# KiCad board Beacon_Multiboard.kicad_pcb
title: Beacon; date: 2023-09-02; rev: 1; company: Beep Boop
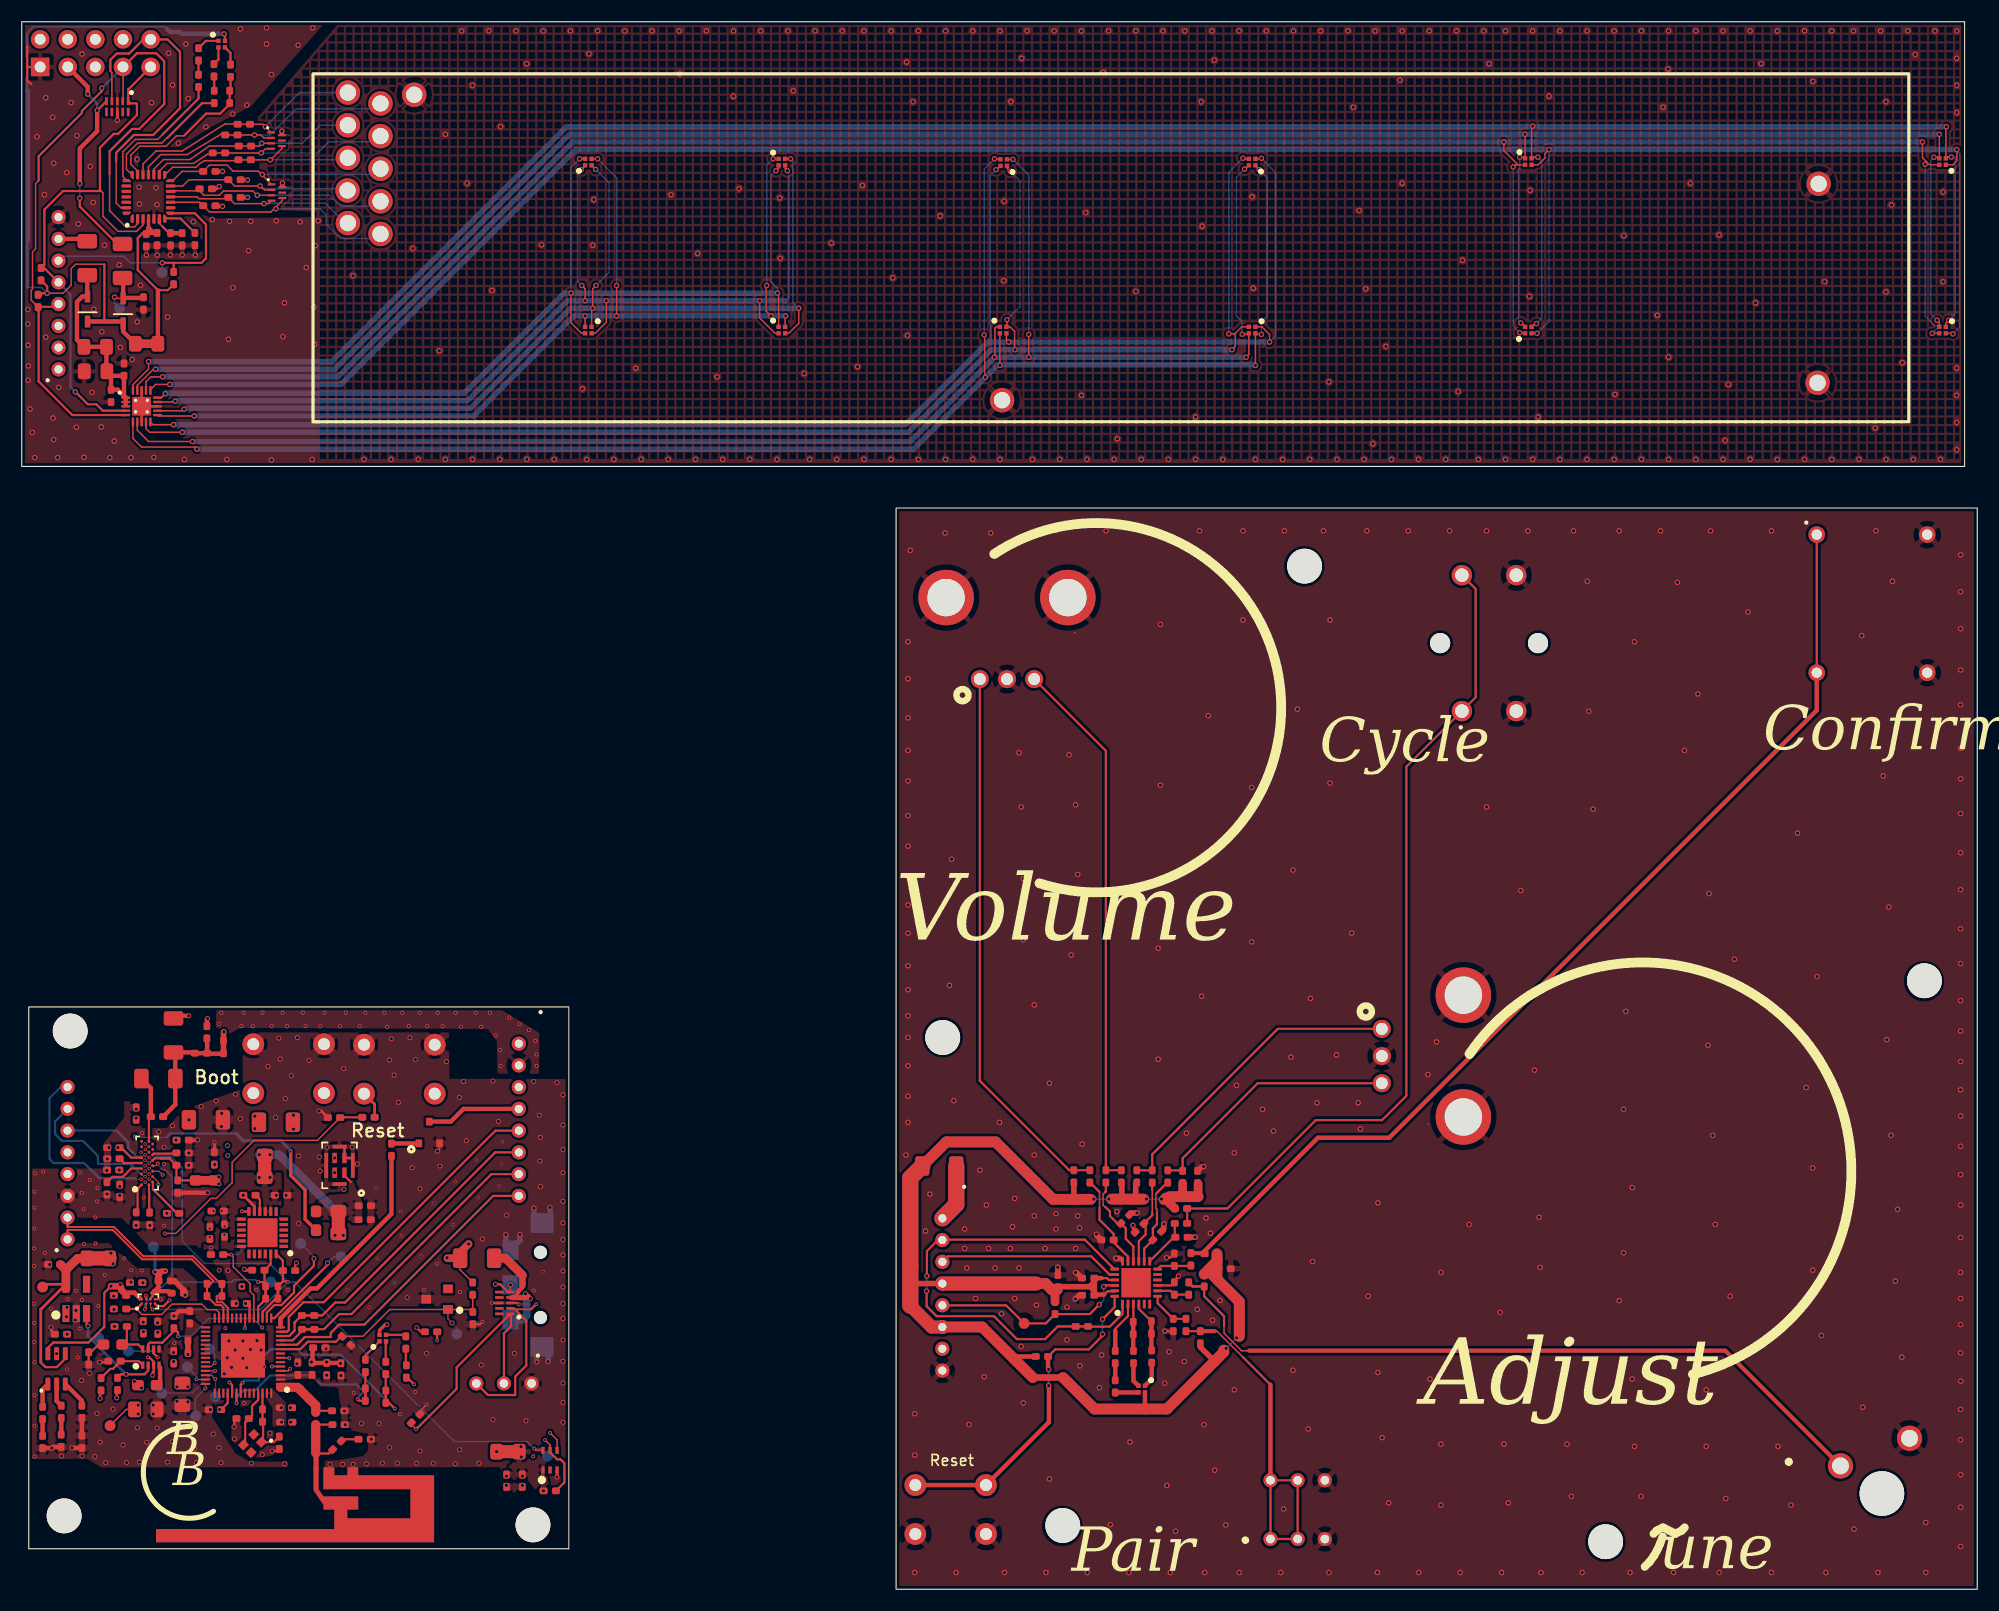
[diagram p0: board, top side]
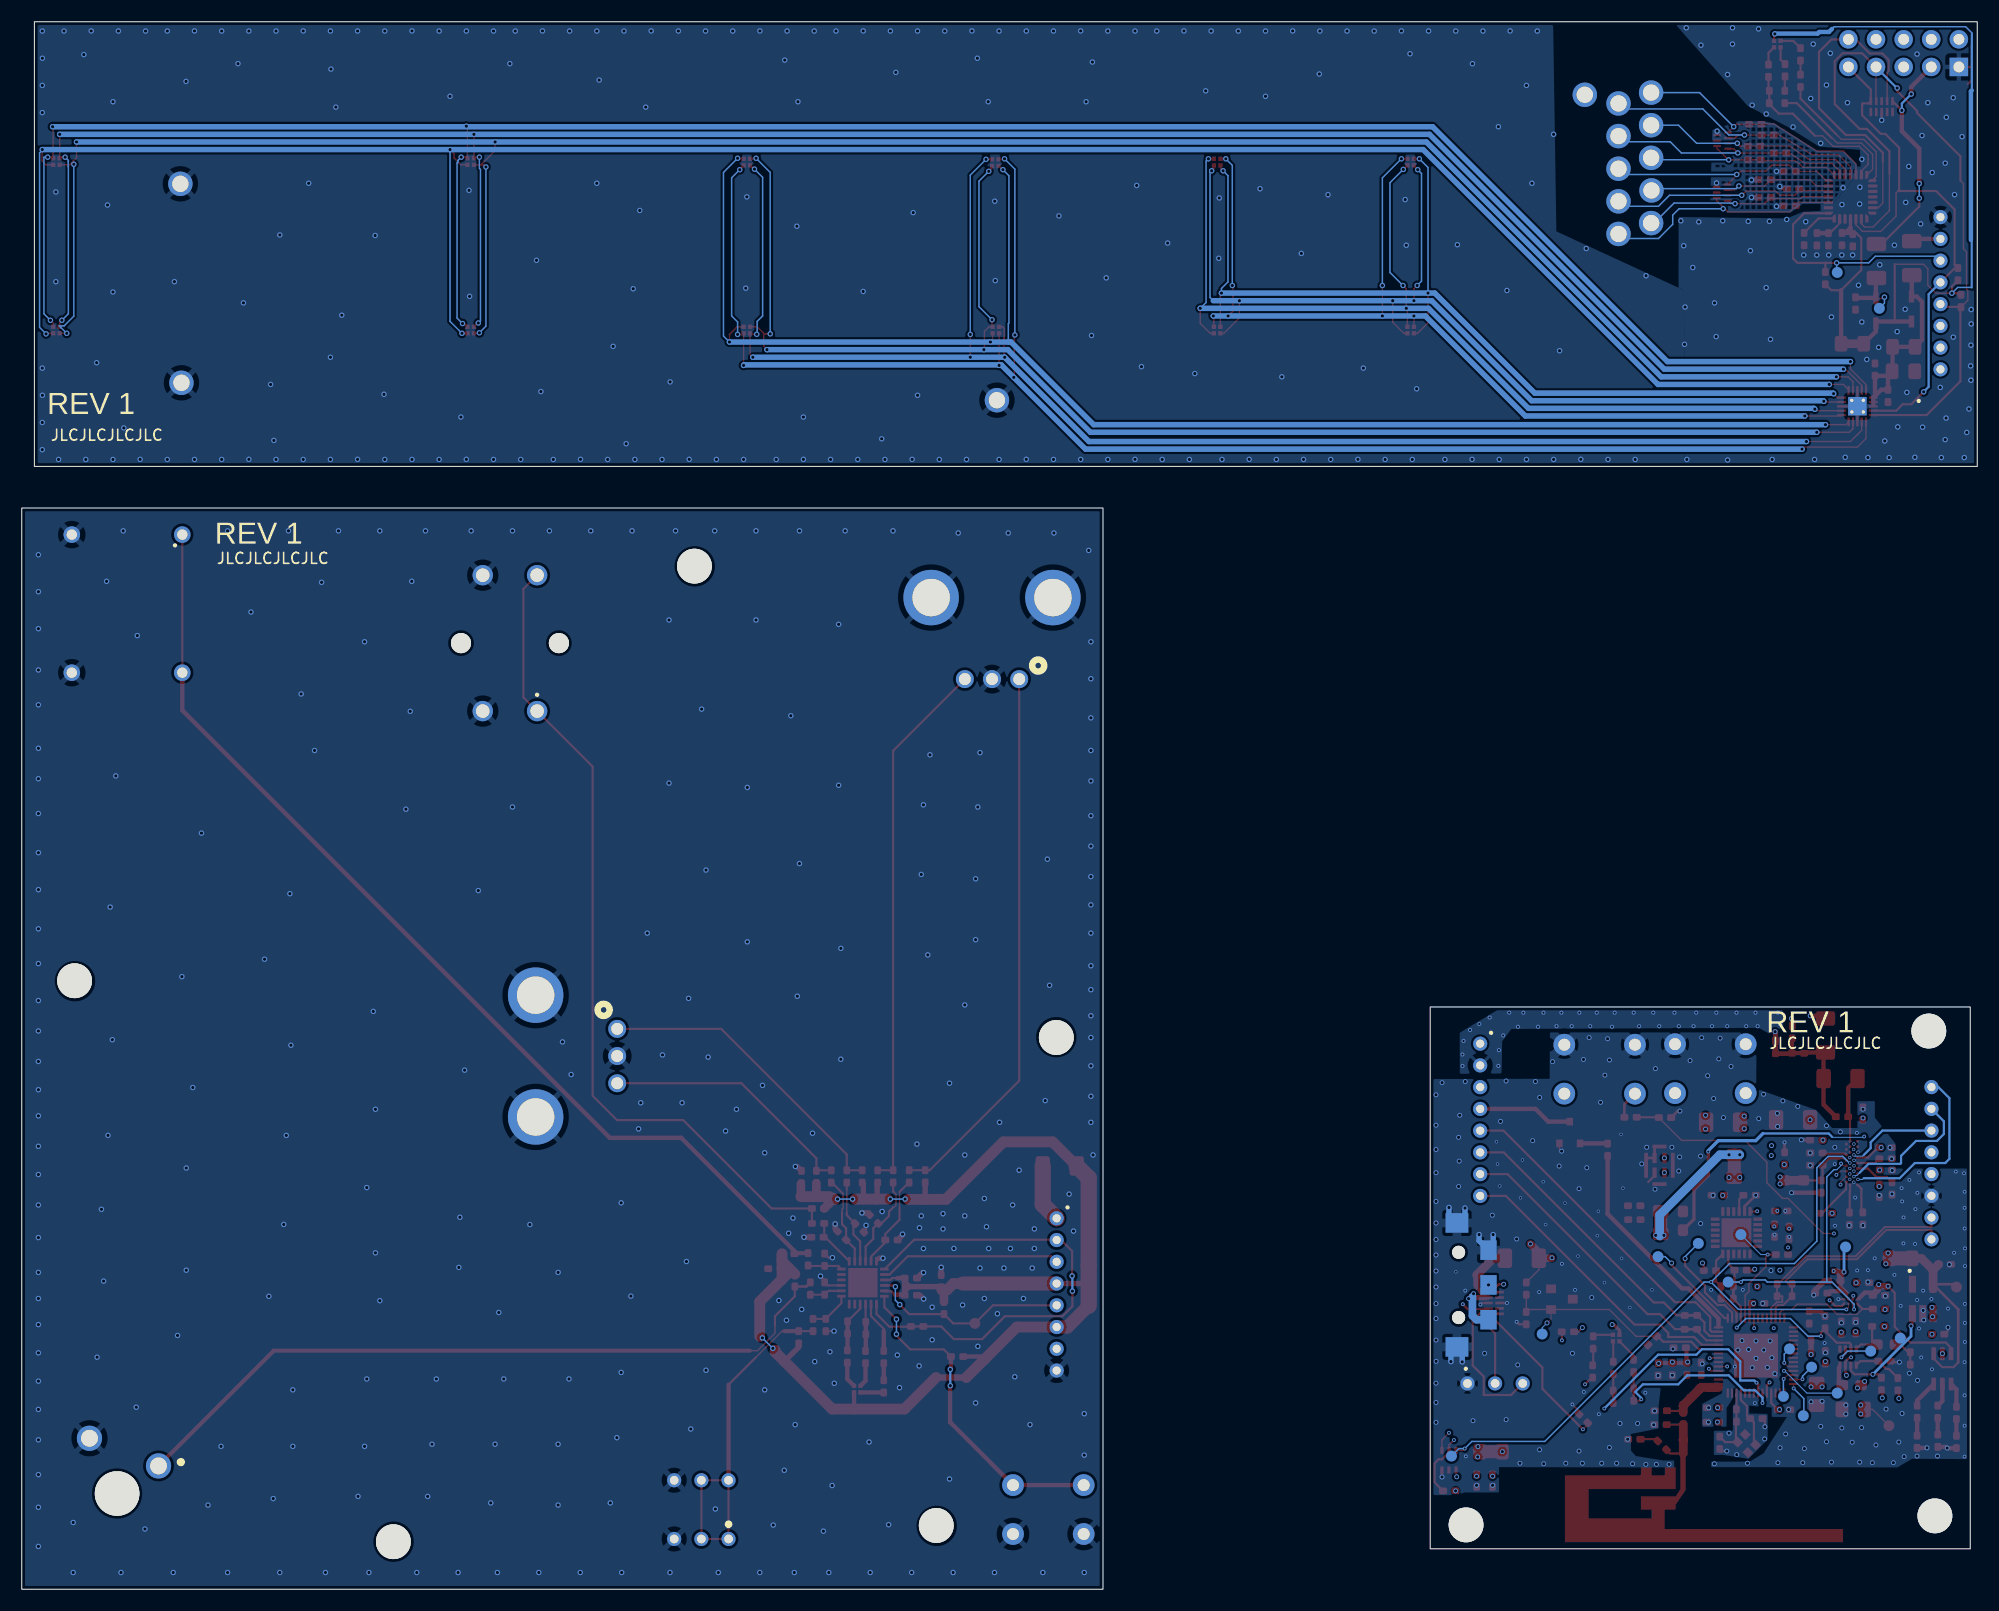
[diagram p1: board, bottom side, seen from below]

Outline 179.85 x 144.16 mm; copper layers: Top, In1.Cu, In2.Cu, In3.Cu, In4.Cu, Bottom. Coordinates in mm from the lower left corner of the outline.
Outline path: rectangle 0,144.16 178.69,103.27 ; rectangle 0.64,53.55 50.32,3.72 ; rectangle 80.41,99.44 179.85,0
Stack: Top 0.035mm / dielectric 0.1mm FR4 er 4.5 / In1.Cu 0.035mm / dielectric 0.535mm FR4 er 4.5 / In2.Cu 0.035mm / dielectric 0.1mm FR4 er 4.5 / In3.Cu 0.035mm / dielectric 0.535mm FR4 er 4.5 / In4.Cu 0.035mm / dielectric 0.1mm FR4 er 4.5 / Bottom 0.035mm

## Placement (name value [footprint] x y rotation side)
AE801  F-ANTENNA  [2.4GHz_Inverted_F_Antenna]  12.35 4.32 180 top
C301  1u00_0402_10  [0402_1005Metric_Handsolder]  108.14 37.91 270 top
C302  1u00_0402_10  [0402_1005Metric_Handsolder]  110.63 29.48 180 top
C303  1u00_0402_10  [0402_1005Metric_Handsolder]  9.4 112.16 270 top
C401  100n_0402_16  [0402_1005Metric_Handsolder]  8.21 109.75 90 top
C402  10u0_0805_16  [0805_2012Metric_Handsolder]  6.81 112.03 0 top
C403  1u00_0402_10  [0402_1005Metric_Handsolder]  11.45 124.07 90 top
C404  1u00_0402_10  [0402_1005Metric_Handsolder]  11.2 118.25 90 top
C405  10n0_0402_25  [0402_1005Metric_Handsolder]  12.44 124.17 90 top
C406  ????_0402_25  [0402_1005Metric_Handsolder]  17.26 127.24 180 top
C407  100n_0402_16  [0402_1005Metric_Handsolder]  14.75 124.15 90 top
C408  1u00_0402_10  [0402_1005Metric_Handsolder]  13.69 124.15 90 top
C409  100n_0402_16  [0402_1005Metric_Handsolder]  15.92 124.18 90 top
C410  ????_0402_25  [0402_1005Metric_Handsolder]  19.57 128 180 top
C411  ????_0402_25  [0402_1005Metric_Handsolder]  16.93 128.79 180 top
C412  ????_0402_25  [0402_1005Metric_Handsolder]  19.57 129.63 180 top
C413  ????_0402_25  [0402_1005Metric_Handsolder]  17.26 130.39 180 top
C501  4u70_0402_10  [0402_1005Metric_Handsolder]  12.51 24.06 270 top
C502  10u0_0805_16  [0805_2012Metric_Handsolder]  11.39 16.52 180 top
C503  10u0_0805_16  [0805_2012Metric_Handsolder]  14.76 17.95 90 top
C504  1u00_0402_10  [0402_1005Metric_Handsolder]  9.04 27.03 0 top
C505  1u00_0402_10  [0402_1005Metric_Handsolder]  10.52 28.2 0 top
C506  1u00_0402_10  [0402_1005Metric_Handsolder]  13.15 28.35 180 top
C507  100n_0402_16  [0402_1005Metric_Handsolder]  14 24.57 90 top
C508  100n_0402_16  [0402_1005Metric_Handsolder]  29.87 22.86 135 top
C511  ????_0402_10  [0402_1005Metric_Handsolder]  11.19 24.1 270 top
C512  ????_0402_10  [0402_1005Metric_Handsolder]  13.98 21.34 270 top
C513  ????_0402_10  [0402_1005Metric_Handsolder]  14.35 27.24 180 top
C533  1u00_0402_10  [0402_1005Metric_Handsolder]  3.6 23.45 0 top
C534  1u00_0402_10  [0402_1005Metric_Handsolder]  2.99 29.88 0 top
C601  ????_0402_25  [0402_1005Metric_Handsolder]  17.72 39.62 270 top
C602  ????_0402_25  [0402_1005Metric_Handsolder]  14.35 37.04 90 top
C603  1u00_0402_10  [0402_1005Metric_Handsolder]  14.79 38.99 180 top
C604  1u00_0402_10  [0402_1005Metric_Handsolder]  8.43 40.62 0 top
C605  1u00_0402_10  [0402_1005Metric_Handsolder]  10.53 43.74 270 top
C606  1u00_0402_10  [0402_1005Metric_Handsolder]  9.01 36.65 90 top
C607  1u00_1206_10_T  [1206_3216Metric_Handsolder]  12.58 46.97 0 top
C608  1u00_0402_10  [0402_1005Metric_Handsolder]  12.44 43.46 0 top
C609  1u00_0402_10  [0402_1005Metric_Handsolder]  17.03 51.22 90 top
C610  1u00_1206_10_T  [1206_3216Metric_Handsolder]  13.96 50.96 90 top
C611  1u00_1206_10_T  [1206_3216Metric_Handsolder]  16.96 43.18 0 top
C612  1u00_0402_10  [0402_1005Metric_Handsolder]  14.8 41.31 0 top
C613  1u00_0402_10  [0402_1005Metric_Handsolder]  13.92 34.58 0 top
C614  1u00_0402_10  [0402_1005Metric_Handsolder]  7.84 36.87 90 top
C615  1u00_0402_10  [0402_1005Metric_Handsolder]  8.43 39.6 0 top
C616  1u00_0402_10  [0402_1005Metric_Handsolder]  8.41 38.56 0 top
C617  1u00_0402_10  [0402_1005Metric_Handsolder]  10.53 34.1 90 top
C618  1u00_0402_10  [0402_1005Metric_Handsolder]  11.76 34.08 90 top
C619  1u00_0402_10  [0402_1005Metric_Handsolder]  14.79 40.13 180 top
C701  1u00_0402_10  [0402_1005Metric_Handsolder]  24.3 16.7 180 top
C702  100n_0402_16  [0402_1005Metric_Handsolder]  24.32 15.37 180 top
C703  100n_0402_16  [0402_1005Metric_Handsolder]  20.15 26.29 0 top
C704  ????_0402_10  [0402_1005Metric_Handsolder]  29.36 20.22 90 top
C705  1u00_0402_10  [0402_1005Metric_Handsolder]  28.05 20.25 90 top
C706  100n_0402_16  [0402_1005Metric_Handsolder]  27.36 22.22 180 top
C707  100n_0402_16  [0402_1005Metric_Handsolder]  25.4 20.28 270 top
C708  100n_0402_16  [0402_1005Metric_Handsolder]  15.46 25.01 270 top
C709  100n_0402_16  [0402_1005Metric_Handsolder]  17.77 16.52 0 top
C710  3p90_0402_25  [0402_1005Metric_Handsolder]  23.69 13.47 90 top
C711  3p90_0402_25  [0402_1005Metric_Handsolder]  20.32 15.7 0 top
C801  100n_0402_16  [0402_1005Metric_Handsolder]  28.72 43.38 0 top
C802  3p30_0402_50_N  [0402_1005Metric_Handsolder]  29.13 15.14 180 top
C803  3p60_0402_50_N  [0402_1005Metric_Handsolder]  29.11 16.41 180 top
C804  100n_0402_16  [0402_1005Metric_Handsolder]  31.53 13.8 180 top
C1001  100n_0402_16  [0402_1005Metric_Handsolder]  18.65 32.98 90 top
C1002  4u70_0402_10  [0402_1005Metric_Handsolder]  18.02 34.79 0 top
C1003  10n0_0402_25  [0402_1005Metric_Handsolder]  23.85 36.24 180 top
C1004  1u00_0402_10  [0402_1005Metric_Handsolder]  20.94 36.24 0 top
C1005  ????_0402_10  [0402_1005Metric_Handsolder]  17.31 32.78 90 top
C1101  4u70_0402_10  [0402_1005Metric_Handsolder]  46.04 9.98 90 top
C1102  100n_0402_16  [0402_1005Metric_Handsolder]  44.59 9.98 90 top
C1201  4u70_0402_10  [0402_1005Metric_Handsolder]  31.55 35.27 180 top
C1202  100n_0402_16  [0402_1005Metric_Handsolder]  31.54 33.99 180 top
C1401  100n_0402_16  [0402_1005Metric_Handsolder]  106.67 32.38 180 top
C1402  100n_0402_16  [0402_1005Metric_Handsolder]  106.01 30.3 270 top
C1403  100n_0402_16  [0402_1005Metric_Handsolder]  105.9 24.3 90 top
C1404  100n_0402_16  [0402_1005Metric_Handsolder]  106.01 27.66 270 top
C1405  10n0_0402_25  [0402_1005Metric_Handsolder]  99.86 32.12 0 top
C1406  10n0_0402_25  [0402_1005Metric_Handsolder]  101.48 34.05 225 top
C1407  10n0_0402_25  [0402_1005Metric_Handsolder]  102.81 33.24 45 top
C1408  10n0_0402_25  [0402_1005Metric_Handsolder]  104.43 32.53 225 top
C1501  100n_0402_16  [0402_1005Metric_Handsolder]  98.08 27.04 0 top
C1502  100n_0402_16  [0402_1005Metric_Handsolder]  95.29 28.34 270 top
C1503  1u00_0402_10  [0402_1005Metric_Handsolder]  98.08 28.62 0 top
D401  UHD1110  [UHD1110FKACL1A13r3q1BBQFMF3]  90.31 131.2 180 top
D402  UHD1110  [UHD1110FKACL1A13r3q1BBQFMF3]  90.26 115.8 0 top
D403  UHD1110  [UHD1110FKACL1A13r3q1BBQFMF3]  113.16 131.25 180 top
D404  UHD1110  [UHD1110FKACL1A13r3q1BBQFMF3]  113.16 115.8 270 top
D405  UHD1110  [UHD1110FKACL1A13r3q1BBQFMF3]  52.11 131.25 90 top
D406  UHD1110  [UHD1110FKACL1A13r3q1BBQFMF3]  52.11 115.8 270 top
D407  UHD1110  [UHD1110FKACL1A13r3q1BBQFMF3]  69.91 131.25 0 top
D408  UHD1110  [UHD1110FKACL1A13r3q1BBQFMF3]  69.91 115.8 0 top
D409  UHD1110  [UHD1110FKACL1A13r3q1BBQFMF3]  138.56 131.3 0 top
D410  UHD1110  [UHD1110FKACL1A13r3q1BBQFMF3]  138.56 115.8 90 top
D411  UHD1110  [UHD1110FKACL1A13r3q1BBQFMF3]  176.66 131.3 180 top
D412  UHD1110  [UHD1110FKACL1A13r3q1BBQFMF3]  176.66 115.8 270 top
D413  1N4148WX-TP  [SOD2512X115N]  6.05 117.74 90 top
D414  1N4148WX-TP  [SOD2512X115N]  9.33 117.57 90 top
D415  PESD4USB5B  [PESD4USB5BTBSX]  8.79 136.37 180 top
D416  -  [PUSB3TB6AZ]  23.43 133.23 0 top
D417  UHD1110  [UHD1110FKACL1A13r3q1BBQFMF3]  18.39 142.1 0 top
D418  -  [PUSB3TB6AZ]  23.47 128.45 0 top
D501  CLYBA-FKA  [CLYBA-FKA-CFHHKL9BBB7a363]  3.21 20.27 90 top
D503  BZX84C5V6-TP  [SOT23_Handsolder]  38.2 26.68 180 top
D507  PESD4USB5B  [PESD4USB5BTBSX]  44.44 26.33 90 top
D801  UHD1110  [UHD1110FKACL1A13r3q1BBQFMF3]  33.2 23.1 90 top
D1501  UHD1110  [UHD1110FKACL1A13r3q1BBQFMF3]  103 18.41 270 top
F201  1A1_1206_08  [1206_3216Metric_Handsolder]  23.36 42.95 180 top
F301  1A1_1206_08  [1206_3216Metric_Handsolder]  84.37 38.93 180 top
F401  1A1_1206_08  [1206_3216Metric_Handsolder]  6.02 122.39 270 top
F402  1A1_1206_08  [1206_3216Metric_Handsolder]  9.27 122.14 270 top
F501  1A1_1206_08  [1206_3216Metric_Handsolder]  41.86 30.45 180 top
FLED  -  [Board]  0.37 144.16 0 top
H401  Plated_Through_Hole  [Plated_Hole_D1.5mm]  30 137.64 0 top
H402  Plated_Through_Hole  [Plated_Hole_D1.5mm]  33 136.64 0 top
H403  Plated_Through_Hole  [Plated_Hole_D1.5mm]  30 134.64 0 top
H404  Plated_Through_Hole  [Plated_Hole_D1.5mm]  33 133.64 0 top
H405  Plated_Through_Hole  [Plated_Hole_D1.5mm]  30 131.64 0 top
H411  Plated_Through_Hole  [Plated_Hole_D1.5mm]  33 124.64 0 top
H413  Plated_Through_Hole  [Plated_Hole_D1.5mm]  30 125.64 0 top
H415  Plated_Through_Hole  [Plated_Hole_D1.5mm]  33 127.64 0 top
H417  Plated_Through_Hole  [Plated_Hole_D1.5mm]  29.96 128.64 0 top
H423  Plated_Through_Hole  [Plated_Hole_D1.5mm]  33 130.64 0 top
H425  Plated_Through_Hole  [Plated_Hole_D1.5mm]  90.16 109.35 0 top
H426  Plated_Through_Hole  [Plated_Hole_D1.5mm]  165.16 110.95 0 top
H427  Plated_Through_Hole  [Plated_Hole_D1.5mm]  165.26 129.25 0 top
H428  Plated_Through_Hole  [Plated_Hole_D1.5mm]  36.09 137.44 0 top
J101  Conn_01x08_Pin  [CONN_1x08_P2.00mm_Horizontal]  45.72 43.18 270 top
J102  Conn_01x08_Pin  [CONN_1x08_P2.00mm_Horizontal]  3.38 119.19 90 bottom
J104  Conn_01x08_Pin  [CONN_1x08_P2.00mm_Horizontal]  84.67 27.12 270 top
J106  Conn_01x08_Pin  [CONN_1x08_P2.00mm_Horizontal]  4.21 39.18 90 bottom
J401  0805  [0805_CUT-N-JUMP]  6.75 114.26 0 top
J402  0402  [0402_CUT-N-JUMP]  20.45 134.71 0 top
J403  0402  [0402_CUT-N-JUMP]  19.3 133.72 0 top
J404  Conn_02x05_Odd_Even  [PinHeader_2x05_P2.54]  6.92 141.27 90 top
J405  0402  [0402_CUT-N-JUMP]  20.55 132.7 0 top
J406  0402  [0402_CUT-N-JUMP]  18.16 132.07 0 top
J407  0402  [0402_CUT-N-JUMP]  20.52 131.43 0 top
J408  0805  [0805_CUT-N-JUMP]  11.48 114.55 180 top
J409  0402  [0402_CUT-N-JUMP]  19.15 137.27 90 top
J410  0402  [0402_1005Metric_Handsolder]  6.16 21.23 90 top
J501  Conn_01x03_Pin  [LEAF_17461421]  47.08 27.99 90 bottom
J502  0402  [0402_1005Metric_Handsolder]  5.54 13.56 90 top
J601  0603  [0603_CUT-N-JUMP]  16.87 37.61 0 top
J603  0805  [0805_CUT-N-JUMP]  7.04 30.43 0 top
J604  0402  [0402_CUT-N-JUMP]  18.58 49.89 90 top
J605  0402  [0402_CUT-N-JUMP]  16.51 49.28 0 top
J701  0402  [0402_CUT-N-JUMP]  15.31 22.33 90 top
J702  0402  [0402_CUT-N-JUMP]  22.12 15.95 270 top
J703  0402  [0402_CUT-N-JUMP]  22.45 27.32 90 top
J704  0402  [0402_CUT-N-JUMP]  23.59 27.32 90 top
J705  0402  [0402_CUT-N-JUMP]  26.31 25.21 180 top
J706  0402  [0402_CUT-N-JUMP]  26.32 23.93 180 top
J708  PAD_S  [PAD_SMALL]  20.24 27.84 0 top
J801  0402  [0402_CUT-N-JUMP]  33.46 17.68 270 top
J802  0402  [0402_CUT-N-JUMP]  31.58 17.88 270 top
J803  0402  [0402_CUT-N-JUMP]  27.09 13.1 90 top
J804  0402  [0402_CUT-N-JUMP]  25.96 18.02 135 top
J1001  0805  [0805_CUT-N-JUMP]  22.35 38.9 270 top
J1101  0805  [0805_CUT-N-JUMP]  44.71 12.65 0 top
J1201  0805  [0805_CUT-N-JUMP]  29.12 33.72 90 top
J1501  0402  [0402_CUT-N-JUMP]  97.52 24.15 0 top
J1502  0402  [0402_CUT-N-JUMP]  102.25 24.04 90 top
J1503  0402  [0402_CUT-N-JUMP]  103.92 24.1 90 top
J1609  0402  [0402_CUT-N-JUMP]  18.39 27.49 270 top
J1610  0402  [0402_CUT-N-JUMP]  17.01 27.5 270 top
L501  22u0_0630_1A0_P  [0603_1608Metric_Handsolder]  11.55 18.75 180 top
L701  2n00_0402_1A0_P  [0402_1005Metric_Handsolder]  26.7 20.28 270 top
L801  2n00_0402_???_R  [0402_1005Metric_Handsolder]  27.04 15.71 90 top
L802  20n0_0402_???_R  [0402_1005Metric_Handsolder]  28.99 13.24 225 top
Main  -  [Board]  0.95 53.58 0 top
MK1201  MP34DT05-A  [MP34DT05TRA]  29.23 38.99 180 top